# KiCad board EKO_Miner_PowerBoard-53667.kicad_pcb
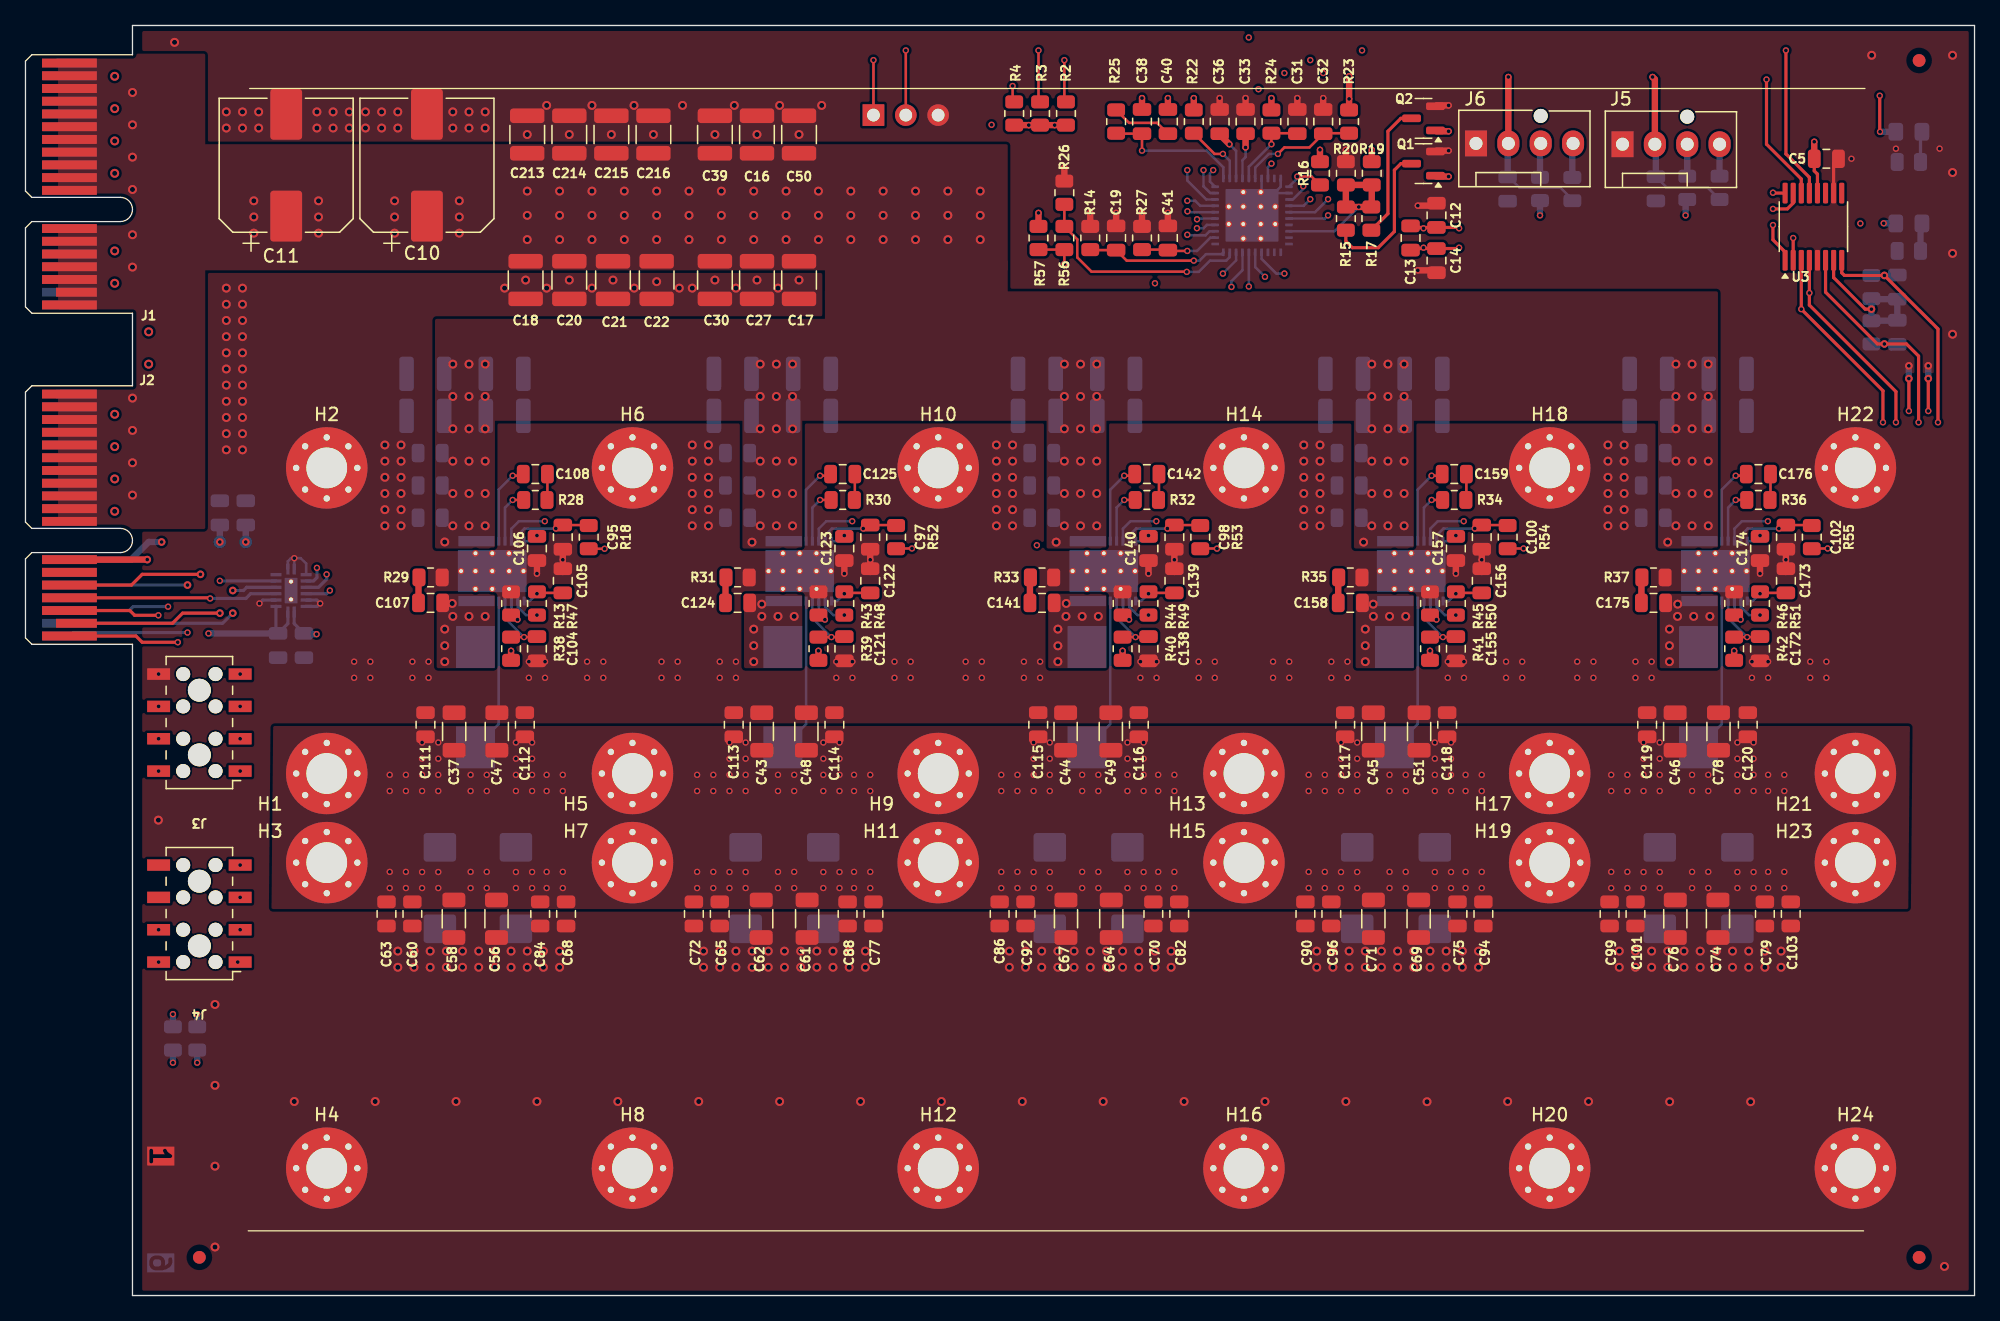
[diagram p0: board, top side]
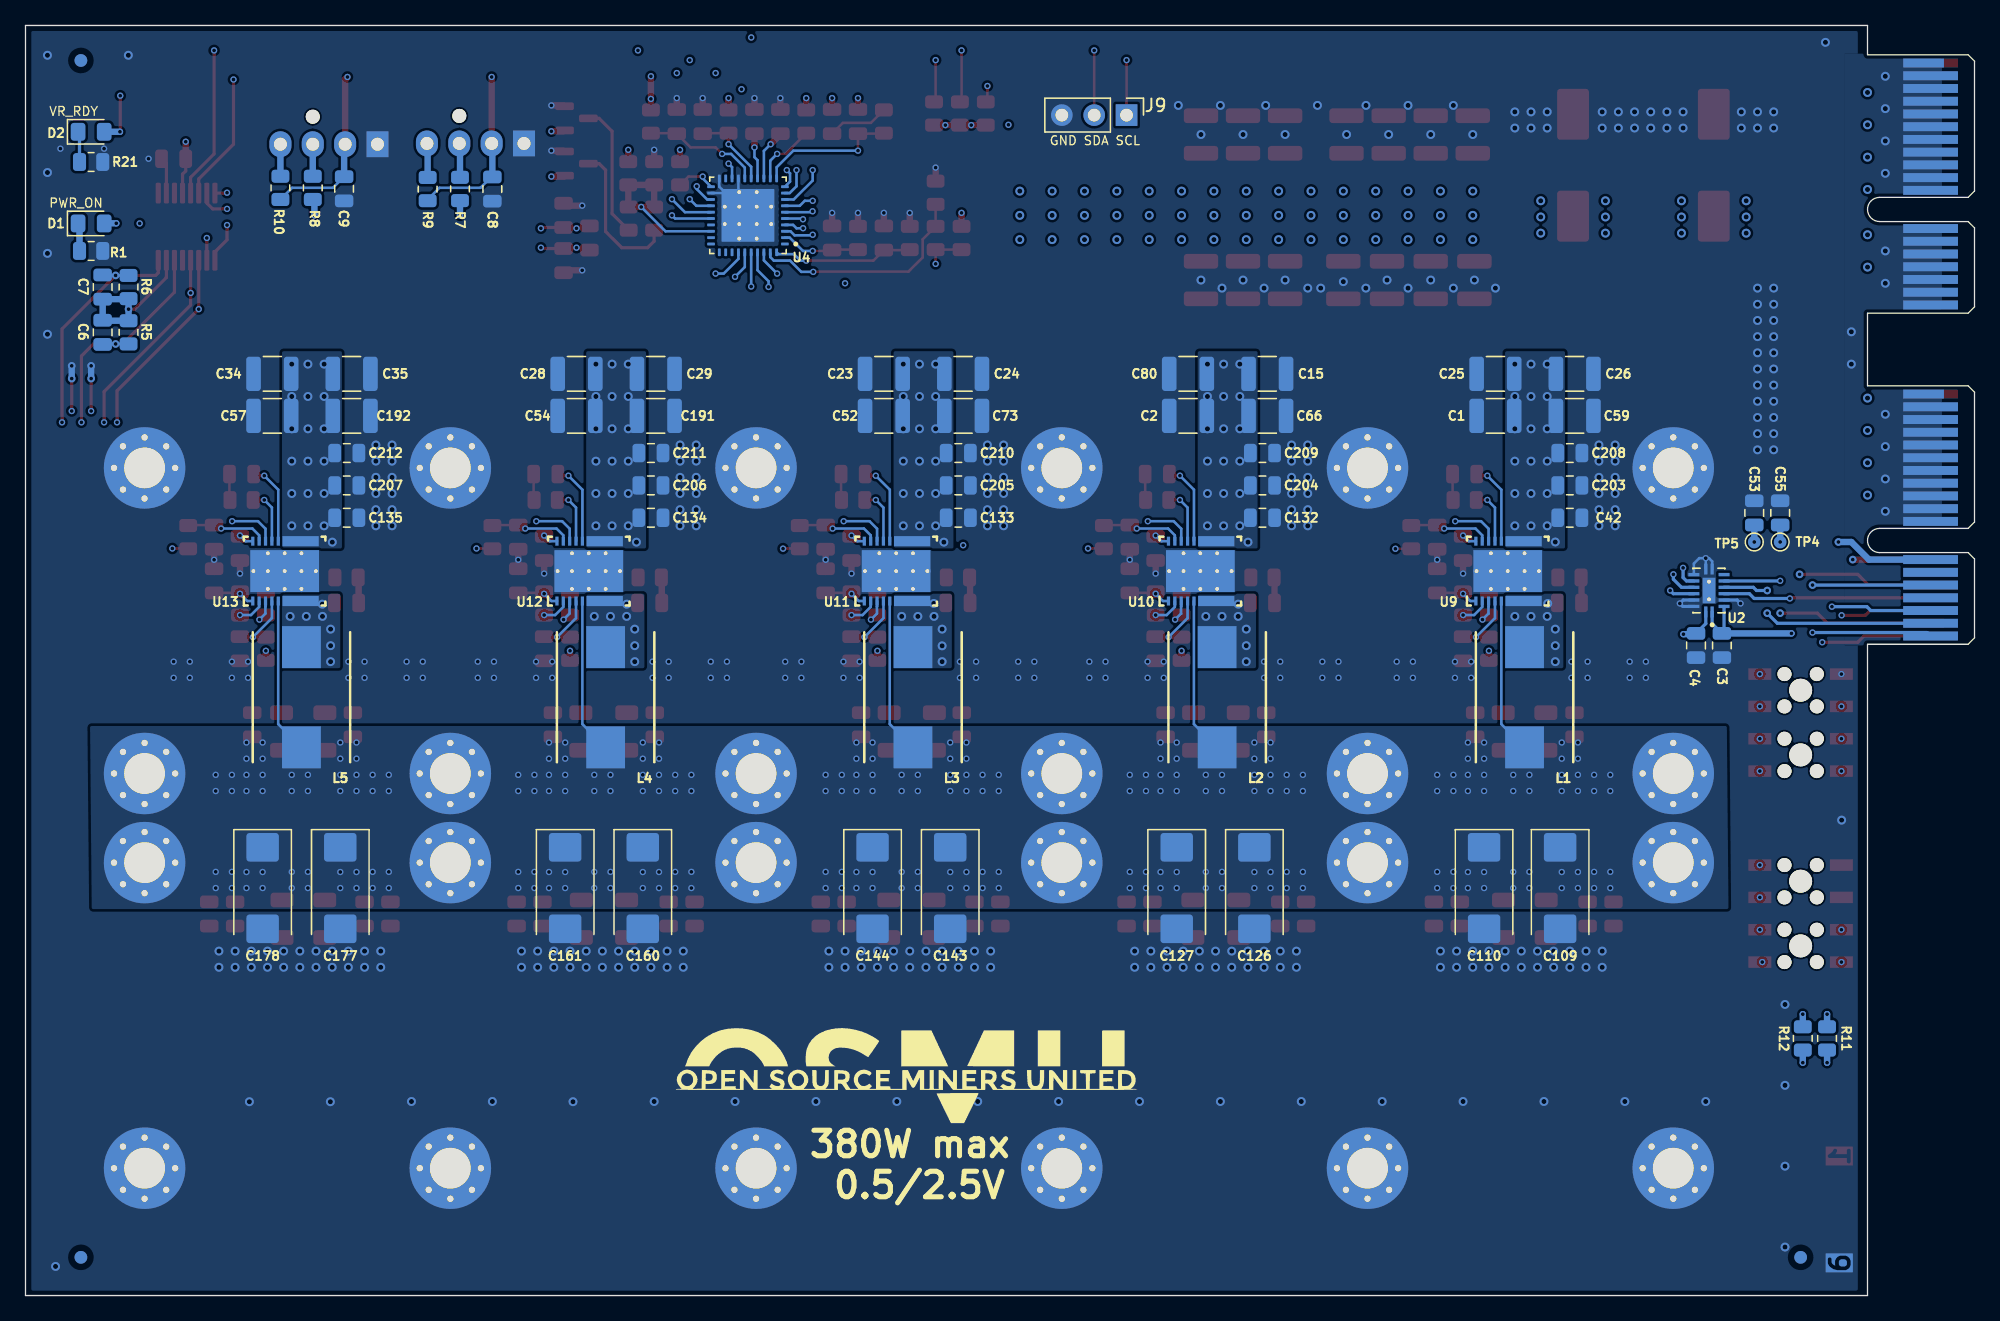
[diagram p1: board, bottom side, seen from below]

Outline 153 x 99.75 mm; copper layers: Top, In1.Cu, In2.Cu, In3.Cu, In4.Cu, Bottom. Coordinates in mm from the lower left corner of the outline.
Outline path: 8.4,97.45 8.4,99.75 153,99.75 153,0 8.4,0 8.4,51.15 ; 8.4,71.45 8.4,77.15
Stack: Top 0.035mm / dielectric 0.1mm FR4 er 4.5 / In1.Cu 0.035mm / dielectric 0.535mm FR4 er 4.5 / In2.Cu 0.035mm / dielectric 0.1mm FR4 er 4.5 / In3.Cu 0.035mm / dielectric 0.535mm FR4 er 4.5 / In4.Cu 0.035mm / dielectric 0.1mm FR4 er 4.5 / Bottom 0.035mm

## Placement (name value [footprint] x y rotation side)
C1  22uF/25V  [C_1210_3225Metric]  37.61 69.09 0 bottom
C2  22uF/25V  [C_1210_3225Metric]  61.74 69.09 0 bottom
C3  100nF  [C_0805_2012Metric]  19.83 51.05 270 bottom
C4  100nF  [C_0805_2012Metric]  21.86 51.05 270 bottom
C5  100nF  [C_0805_2012Metric]  141.37 89.28 0 top
C6  100pF  [C_0805_2012Metric]  146.94 75.65 90 bottom
C7  100pF  [C_0805_2012Metric]  146.94 79.2 90 bottom
C8  100nF  [C_0805_2012Metric]  116.35 86.9 270 bottom
C9  100nF  [C_0805_2012Metric]  127.99 86.92 270 bottom
C10  470µF/25V  [CP_Elec_10x10]  31.51 88.77 90 top
C11  470µF/25V  [CP_Elec_10x10]  20.47 88.77 90 top
C12  22pF  [C_0805_2012Metric]  110.76 84.84 270 top
C13  100pF  [C_0805_2012Metric]  108.73 83.06 270 top
C14  22pF  [C_0805_2012Metric]  110.76 81.28 270 top
C15  22uF/25V  [C_1210_3225Metric]  55.52 72.39 180 bottom
C16  22uF/25V  [C_1210_3225Metric]  57.42 91.19 90 top
C17  22uF/25V  [C_1210_3225Metric]  60.72 79.76 270 top
C18  47uF/25V  [C_1210_3225Metric]  39.26 79.76 270 top
C19  1nF  [C_0805_2012Metric]  85.62 83.06 90 top
C20  47uF/25V  [C_1210_3225Metric]  42.69 79.76 270 top
C21  47uF/25V  [C_1210_3225Metric]  46.12 79.76 270 top
C22  47uF/25V  [C_1210_3225Metric]  49.55 79.76 270 top
C23  22uF/25V  [C_1210_3225Metric]  85.62 72.39 0 bottom
C24  22uF/25V  [C_1210_3225Metric]  79.39 72.39 180 bottom
C25  22uF/25V  [C_1210_3225Metric]  37.61 72.39 0 bottom
C26  22uF/25V  [C_1210_3225Metric]  31.39 72.39 180 bottom
C27  22uF/25V  [C_1210_3225Metric]  57.42 79.76 270 top
C28  22uF/25V  [C_1210_3225Metric]  109.75 72.39 0 bottom
C29  22uF/25V  [C_1210_3225Metric]  103.52 72.39 180 bottom
C30  22uF/25V  [C_1210_3225Metric]  54.12 79.76 270 top
C31  4.7µF/16V  [C_0805_2012Metric]  99.84 92.2 270 top
C32  1uF/25V  [C_0805_2012Metric]  101.87 92.2 90 top
C33  1uF/25V  [C_0805_2012Metric]  95.78 92.2 90 top
C34  22uF/25V  [C_1210_3225Metric]  133.62 72.39 0 bottom
C35  22uF/25V  [C_1210_3225Metric]  127.4 72.39 180 bottom
C36  330nF  [C_0805_2012Metric]  93.74 92.2 90 top
C37  100uF/6.3V  [C_1206_3216Metric]  33.65 44.3 90 top
C38  12pF  [C_0805_2012Metric]  87.65 92.2 90 top
C39  22uF/25V  [C_1210_3225Metric]  54.12 91.19 90 top
C40  1nF  [C_0805_2012Metric]  89.68 92.2 90 top
C41  2.2nF  [C_0805_2012Metric]  89.68 83.06 90 top
C42  2.2nF  [C_0805_2012Metric]  31.77 61.09 180 bottom
C43  100uF/6.3V  [C_1206_3216Metric]  57.8 44.3 90 top
C44  100uF/6.3V  [C_1206_3216Metric]  81.65 44.3 90 top
C45  100uF/6.3V  [C_1206_3216Metric]  105.8 44.3 90 top
C46  100uF/6.3V  [C_1206_3216Metric]  129.5 44.3 90 top
C47  100uF/6.3V  [C_1206_3216Metric]  37 44.3 90 top
C48  100uF/6.3V  [C_1206_3216Metric]  61.3 44.3 90 top
C49  100uF/6.3V  [C_1206_3216Metric]  85.2 44.3 90 top
C50  22uF/25V  [C_1210_3225Metric]  60.72 91.19 90 top
C51  100uF/6.3V  [C_1206_3216Metric]  109.4 44.3 90 top
C52  22uF/25V  [C_1210_3225Metric]  85.62 69.09 0 bottom
C53  100nF  [C_0805_2012Metric]  17.29 61.47 90 bottom
C54  22uF/25V  [C_1210_3225Metric]  109.75 69.09 0 bottom
C55  100nF  [C_0805_2012Metric]  15.26 61.47 90 bottom
C56  100uF/6.3V  [C_1206_3216Metric]  36.98 29.59 270 top
C57  22uF/25V  [C_1210_3225Metric]  133.62 69.09 0 bottom
C58  100uF/6.3V  [C_1206_3216Metric]  33.62 29.59 270 top
C59  22uF/25V  [C_1210_3225Metric]  31.39 69.09 180 bottom
C60  100nF  [C_0805_2012Metric]  30.37 29.97 270 top
C61  100uF/6.3V  [C_1206_3216Metric]  61.36 29.59 270 top
C62  100uF/6.3V  [C_1206_3216Metric]  57.76 29.59 270 top
C63  10uF/25V  [C_0805_2012Metric]  28.34 29.97 270 top
C64  100uF/6.3V  [C_1206_3216Metric]  85.24 29.59 270 top
C65  100nF  [C_0805_2012Metric]  54.5 29.97 270 top
C66  22uF/25V  [C_1210_3225Metric]  55.52 69.09 180 bottom
C67  100uF/6.3V  [C_1206_3216Metric]  81.68 29.59 270 top
C68  10uF/25V  [C_0805_2012Metric]  42.44 29.97 270 top
C69  100uF/6.3V  [C_1206_3216Metric]  109.37 29.59 270 top
C70  100nF  [C_0805_2012Metric]  88.54 29.97 270 top
C71  100uF/6.3V  [C_1206_3216Metric]  105.81 29.59 270 top
C72  10uF/25V  [C_0805_2012Metric]  52.47 29.97 270 top
C73  22uF/25V  [C_1210_3225Metric]  79.39 69.09 180 bottom
C74  100uF/6.3V  [C_1206_3216Metric]  132.86 29.59 270 top
C75  100nF  [C_0805_2012Metric]  112.41 29.97 270 top
C76  100uF/6.3V  [C_1206_3216Metric]  129.51 29.59 270 top
C77  10uF/25V  [C_0805_2012Metric]  66.57 29.97 270 top
C78  100uF/6.3V  [C_1206_3216Metric]  132.9 44.3 90 top
C79  100nF  [C_0805_2012Metric]  136.54 29.97 270 top
C80  22uF/25V  [C_1210_3225Metric]  61.74 72.39 0 bottom
C82  10uF/25V  [C_0805_2012Metric]  90.57 29.97 270 top
C84  100nF  [C_0805_2012Metric]  40.4 29.97 270 top
C86  10uF/25V  [C_0805_2012Metric]  76.47 29.97 270 top
C88  100nF  [C_0805_2012Metric]  64.53 29.97 270 top
C90  10uF/25V  [C_0805_2012Metric]  100.47 29.97 270 top
C92  100nF  [C_0805_2012Metric]  78.5 29.97 270 top
C94  10uF/25V  [C_0805_2012Metric]  114.44 29.97 270 top
C95  1nF  [C_0805_2012Metric]  42.18 59.56 90 top
C96  100nF  [C_0805_2012Metric]  102.51 29.97 270 top
C97  1nF  [C_0805_2012Metric]  66.31 59.56 90 top
C98  1nF  [C_0805_2012Metric]  90.19 59.56 90 top
C99  10uF/25V  [C_0805_2012Metric]  124.35 29.97 270 top
C100  1nF  [C_0805_2012Metric]  114.32 59.56 90 top
C101  100nF  [C_0805_2012Metric]  126.38 29.97 270 top
C102  1nF  [C_0805_2012Metric]  138.19 59.56 90 top
C103  10uF/25V  [C_0805_2012Metric]  138.58 29.97 270 top
C104  10uF/25V  [C_0805_2012Metric]  40.15 50.8 270 top
C105  100nF  [C_0805_2012Metric]  42.18 56.13 90 top
C106  1nF  [C_0805_2012Metric]  40.15 58.67 270 top
C107  1nF  [C_0805_2012Metric]  31.8 54.4 180 top
C108  100nF  [C_0805_2012Metric]  40.02 64.52 180 top
C109  470uF/6.3V  [CP_EIA-7343-31_Kemet-D_Pad2.25x2.55mm_HandSolder]  32.53 32 270 bottom
C110  470uF/6.3V  [CP_EIA-7343-31_Kemet-D_Pad2.25x2.55mm_HandSolder]  38.5 32 270 bottom
C111  10uF/25V  [C_0805_2012Metric]  31.4 44.83 90 top
C112  10uF/25V  [C_0805_2012Metric]  39.2 44.83 90 top
C113  10uF/25V  [C_0805_2012Metric]  55.6 44.83 90 top
C114  10uF/25V  [C_0805_2012Metric]  63.5 44.83 90 top
C115  10uF/25V  [C_0805_2012Metric]  79.5 44.83 90 top
C116  10uF/25V  [C_0805_2012Metric]  87.4 44.83 90 top
C117  10uF/25V  [C_0805_2012Metric]  103.6 44.83 90 top
C118  10uF/25V  [C_0805_2012Metric]  111.6 44.83 90 top
C119  10uF/25V  [C_0805_2012Metric]  127.3 44.83 90 top
C120  10uF/25V  [C_0805_2012Metric]  135.2 44.83 90 top
C121  10uF/25V  [C_0805_2012Metric]  64.28 50.8 270 top
C122  100nF  [C_0805_2012Metric]  66.31 56.13 90 top
C123  1nF  [C_0805_2012Metric]  64.28 58.67 270 top
C124  1nF  [C_0805_2012Metric]  55.9 54.4 180 top
C125  100nF  [C_0805_2012Metric]  64.15 64.52 180 top
C126  470uF/6.3V  [CP_EIA-7343-31_Kemet-D_Pad2.25x2.55mm_HandSolder]  56.53 32 270 bottom
C127  470uF/6.3V  [CP_EIA-7343-31_Kemet-D_Pad2.25x2.55mm_HandSolder]  62.63 32 270 bottom
C132  2.2nF  [C_0805_2012Metric]  55.9 61.09 180 bottom
C133  2.2nF  [C_0805_2012Metric]  79.77 61.09 180 bottom
C134  2.2nF  [C_0805_2012Metric]  103.9 61.09 180 bottom
C135  2.2nF  [C_0805_2012Metric]  127.78 61.09 180 bottom
C138  10uF/25V  [C_0805_2012Metric]  88.16 50.8 270 top
C139  100nF  [C_0805_2012Metric]  90.19 56.13 90 top
C140  1nF  [C_0805_2012Metric]  88.16 58.67 270 top
C141  1nF  [C_0805_2012Metric]  79.8 54.4 180 top
C142  100nF  [C_0805_2012Metric]  88.03 64.52 180 top
C143  470uF/6.3V  [CP_EIA-7343-31_Kemet-D_Pad2.25x2.55mm_HandSolder]  80.41 32 270 bottom
C144  470uF/6.3V  [CP_EIA-7343-31_Kemet-D_Pad2.25x2.55mm_HandSolder]  86.5 32 270 bottom
C155  10uF/25V  [C_0805_2012Metric]  112.29 50.8 270 top
C156  100nF  [C_0805_2012Metric]  114.32 56.13 90 top
C157  1nF  [C_0805_2012Metric]  112.29 58.67 270 top
C158  1nF  [C_0805_2012Metric]  104 54.4 180 top
C159  100nF  [C_0805_2012Metric]  112.16 64.52 180 top
C160  470uF/6.3V  [CP_EIA-7343-31_Kemet-D_Pad2.25x2.55mm_HandSolder]  104.54 32 270 bottom
C161  470uF/6.3V  [CP_EIA-7343-31_Kemet-D_Pad2.25x2.55mm_HandSolder]  110.64 32 270 bottom
C172  10uF/25V  [C_0805_2012Metric]  136.16 50.8 270 top
C173  100nF  [C_0805_2012Metric]  138.19 56.13 90 top
C174  1nF  [C_0805_2012Metric]  136.16 58.67 270 top
C175  1nF  [C_0805_2012Metric]  127.8 54.4 180 top
C176  100nF  [C_0805_2012Metric]  136.03 64.52 180 top
C177  470uF/6.3V  [CP_EIA-7343-31_Kemet-D_Pad2.25x2.55mm_HandSolder]  128.29 32 270 bottom
C178  470uF/6.3V  [CP_EIA-7343-31_Kemet-D_Pad2.25x2.55mm_HandSolder]  134.38 32 270 bottom
C191  22uF/25V  [C_1210_3225Metric]  103.52 69.09 180 bottom
C192  22uF/25V  [C_1210_3225Metric]  127.4 69.09 180 bottom
C203  100nF  [C_0805_2012Metric]  31.77 63.63 180 bottom
C204  100nF  [C_0805_2012Metric]  55.9 63.63 180 bottom
C205  100nF  [C_0805_2012Metric]  79.77 63.63 180 bottom
C206  100nF  [C_0805_2012Metric]  103.9 63.63 180 bottom
C207  100nF  [C_0805_2012Metric]  127.78 63.63 180 bottom
C208  1uF/25V  [C_0805_2012Metric]  31.77 66.17 180 bottom
C209  1uF/25V  [C_0805_2012Metric]  55.9 66.17 180 bottom
C210  1uF/25V  [C_0805_2012Metric]  79.77 66.17 180 bottom
C211  1uF/25V  [C_0805_2012Metric]  103.9 66.17 180 bottom
C212  1uF/25V  [C_0805_2012Metric]  127.78 66.17 180 bottom
C213  47uF/25V  [C_1210_3225Metric]  39.39 91.19 90 top
C214  47uF/25V  [C_1210_3225Metric]  42.69 91.19 90 top
C215  47uF/25V  [C_1210_3225Metric]  45.99 91.19 90 top
C216  47uF/25V  [C_1210_3225Metric]  49.29 91.19 90 top
D1  LED  [LED_0805_2012Metric_Pad1.15x1.40mm_HandSolder]  147.85 84.2 180 bottom
D2  LED  [LED_0805_2012Metric_Pad1.15x1.40mm_HandSolder]  147.85 91.4 180 bottom
FID1  Fiducial  [Fiducial_1mm_Mask2mm]  13.65 3 0 top
FID2  Fiducial  [Fiducial_1mm_Mask2mm]  148.65 3 0 top
FID3  Fiducial  [Fiducial_1mm_Mask2mm]  148.65 97 0 top
FID4  Fiducial  [Fiducial_1mm_Mask2mm]  13.65 3 180 bottom
FID5  Fiducial  [Fiducial_1mm_Mask2mm]  148.65 97 180 bottom
FID6  Fiducial  [Fiducial_1mm_Mask2mm]  148.65 3 180 bottom
G***  -  [LOGO]  83.33 17.83 180 bottom
H1  MountingHole_Pad  [MountingHole_3.2mm_M3_Pad_Via]  23.65 41 0 top
H2  MountingHole_Pad  [MountingHole_3.2mm_M3_Pad_Via]  23.65 65 0 top
H3  MountingHole_Pad  [MountingHole_3.2mm_M3_Pad_Via]  23.65 34 0 top
H4  MountingHole_Pad  [MountingHole_3.2mm_M3_Pad_Via]  23.65 10 0 top
H5  MountingHole_Pad  [MountingHole_3.2mm_M3_Pad_Via]  47.65 41 0 top
H6  MountingHole_Pad  [MountingHole_3.2mm_M3_Pad_Via]  47.65 65 0 top
H7  MountingHole_Pad  [MountingHole_3.2mm_M3_Pad_Via]  47.65 34 0 top
H8  MountingHole_Pad  [MountingHole_3.2mm_M3_Pad_Via]  47.65 10 0 top
H9  MountingHole_Pad  [MountingHole_3.2mm_M3_Pad_Via]  71.65 41 0 top
H10  MountingHole_Pad  [MountingHole_3.2mm_M3_Pad_Via]  71.65 65 0 top
H11  MountingHole_Pad  [MountingHole_3.2mm_M3_Pad_Via]  71.65 34 0 top
H12  MountingHole_Pad  [MountingHole_3.2mm_M3_Pad_Via]  71.65 10 0 top
H13  MountingHole_Pad  [MountingHole_3.2mm_M3_Pad_Via]  95.65 41 0 top
H14  MountingHole_Pad  [MountingHole_3.2mm_M3_Pad_Via]  95.65 65 0 top
H15  MountingHole_Pad  [MountingHole_3.2mm_M3_Pad_Via]  95.65 34 0 top
H16  MountingHole_Pad  [MountingHole_3.2mm_M3_Pad_Via]  95.65 10 0 top
H17  MountingHole_Pad  [MountingHole_3.2mm_M3_Pad_Via]  119.65 41 0 top
H18  MountingHole_Pad  [MountingHole_3.2mm_M3_Pad_Via]  119.65 65 0 top
H19  MountingHole_Pad  [MountingHole_3.2mm_M3_Pad_Via]  119.65 34 0 top
H20  MountingHole_Pad  [MountingHole_3.2mm_M3_Pad_Via]  119.65 10 0 top
H21  MountingHole_Pad  [MountingHole_3.2mm_M3_Pad_Via]  143.65 41 0 top
H22  MountingHole_Pad  [MountingHole_3.2mm_M3_Pad_Via]  143.65 65 0 top
H23  MountingHole_Pad  [MountingHole_3.2mm_M3_Pad_Via]  143.65 34 0 top
H24  MountingHole_Pad  [MountingHole_3.2mm_M3_Pad_Via]  143.65 10 0 top
J1  PCB 10018784-10210TLF  [BUS_PCIexpress_x1]  3.45 96.8 270 top
J2  PCB 10018784-10210TLF  [BUS_PCIexpress_x1]  3.45 70.8 270 top
J3  Conn_02x04_Odd_Even  [M20_7810445]  13.65 45 180 top
J4  Conn_02x04_Odd_Even  [M20_7810445]  13.65 30 180 top
J5  Conn_01x04  [FanPinHeader_1x04_P2.54mm_Vertical]  125.37 90.42 0 top
J6  Conn_01x04  [FanPinHeader_1x04_P2.54mm_Vertical]  113.87 90.49 0 top
J9  Conn_01x03  [PinHeader_1x03_P2.54mm_Vertical]  66.57 92.71 270 bottom  (not fitted)
L1  220nH  [INDM1031X765N]  35.32 46.99 270 bottom
L2  220nH  [INDM1031X765N]  59.45 46.99 270 bottom
L3  220nH  [INDM1031X765N]  83.33 46.99 270 bottom
L4  220nH  [INDM1031X765N]  107.46 46.99 270 bottom
L5  220nH  [INDM1031X765N]  131.34 46.99 270 bottom
NT3  NetTie_2  [NetTie-2_SMD_Pad0.5mm]  149.37 72.52 270 bottom
NT4  NetTie_2  [NetTie-2_SMD_Pad0.5mm]  147.85 72.52 270 bottom
Q1  BSS138  [SOT-23]  109.75 88.9 180 top
Q2  BSS138  [SOT-23]  109.75 92.46 180 top
R1  270R  [R_0805_2012Metric]  147.85 82.04 0 bottom
R2  10K  [R_0805_2012Metric]  81.68 92.84 270 top  (not fitted)
R3  10K  [R_0805_2012Metric]  79.65 92.84 270 top  (not fitted)
R4  10K  [R_0805_2012Metric]  77.62 92.84 270 top
R5  1.6K  [R_0805_2012Metric]  144.91 75.65 270 bottom
R6  1.6K  [R_0805_2012Metric]  144.91 79.2 270 bottom
R7  4.7K  [R_0805_2012Metric]  118.89 86.91 270 bottom
R8  4.7K  [R_0805_2012Metric]  130.45 87 270 bottom
R9  10K  [R_0805_2012Metric]  121.43 86.9 270 bottom
R10  10K  [R_0805_2012Metric]  132.99 87 270 bottom
R11  51 0.5%  [R_0805_2012Metric]  11.58 20.19 270 bottom
R12  51 0.5%  [R_0805_2012Metric]  13.48 20.19 270 bottom
R13  100K  [R_0805_2012Metric]  38.12 54.36 90 top
R14  121K  [R_0805_2012Metric]  83.58 83.06 270 top
R15  TBD  [R_0805_2012Metric]  103.65 84.58 270 top
R16  10K  [R_0805_2012Metric]  101.62 88.14 270 top
R17  TBD  [R_0805_2012Metric]  105.65 84.58 270 top
R18  10K  [R_0805_2012Metric]  44.21 59.56 90 top
R19  16K5  [R_0805_2012Metric]  105.68 88.14 270 top
R20  24K3  [R_0805_2012Metric]  103.65 88.14 90 top
R21  270R  [R_0805_2012Metric]  147.85 89.03 0 bottom
R22  2.55k  [R_0805_2012Metric]  91.71 92.2 90 top
R23  2.2R  [R_0805_2012Metric]  103.9 92.2 270 top
R24  2.2R  [R_0805_2012Metric]  97.81 92.2 270 top
R25  8.06k  [R_0805_2012Metric]  85.62 92.2 270 top
R26  100K  [R_0805_2012Metric]  81.55 86.61 270 top
R27  49.9K  [R_0805_2012Metric]  87.65 83.06 270 top
R28  0R  [R_0805_2012Metric]  40.02 62.48 180 top
R29  1R  [R_0805_2012Metric]  31.8 56.4 180 top
R30  0R  [R_0805_2012Metric]  64.15 62.48 180 top
R31  1R  [R_0805_2012Metric]  55.9 56.4 180 top
R32  0R  [R_0805_2012Metric]  88.03 62.48 180 top
R33  1R  [R_0805_2012Metric]  79.8 56.4 180 top
R34  0R  [R_0805_2012Metric]  112.16 62.48 180 top
R35  1R  [R_0805_2012Metric]  104 56.4 180 top
R36  0R  [R_0805_2012Metric]  136.03 62.48 180 top
R37  1R  [R_0805_2012Metric]  127.8 56.4 180 top
R38  1R  [R_0805_2012Metric]  38.12 50.8 90 top
R39  1R  [R_0805_2012Metric]  62.25 50.8 90 top
R40  1R  [R_0805_2012Metric]  86.12 50.8 90 top
R41  1R  [R_0805_2012Metric]  110.25 50.8 90 top
R42  1R  [R_0805_2012Metric]  134.13 50.8 90 top
R43  100K  [R_0805_2012Metric]  62.25 54.36 90 top
R44  100K  [R_0805_2012Metric]  86.12 54.36 90 top
R45  100K  [R_0805_2012Metric]  110.25 54.36 90 top
R46  100K  [R_0805_2012Metric]  134.13 54.36 90 top
R47  0R  [R_0805_2012Metric]  40.15 54.36 90 top  (not fitted)
R48  0R  [R_0805_2012Metric]  64.28 54.36 90 top  (not fitted)
R49  0R  [R_0805_2012Metric]  88.16 54.36 90 top  (not fitted)
R50  0R  [R_0805_2012Metric]  112.29 54.36 90 top  (not fitted)
R51  0R  [R_0805_2012Metric]  136.16 54.36 90 top  (not fitted)
R52  10K  [R_0805_2012Metric]  68.34 59.56 90 top
R53  10K  [R_0805_2012Metric]  92.22 59.56 90 top
R54  10K  [R_0805_2012Metric]  116.35 59.56 90 top
R55  10K  [R_0805_2012Metric]  140.23 59.56 90 top
R56  0R  [R_0805_2012Metric]  81.55 83.06 90 top
R57  0R  [R_0805_2012Metric]  79.52 83.06 90 top  (not fitted)
TP4  TestPoint  [TestPoint_Pad_D1.0mm]  15.26 59.18 180 bottom
TP5  TestPoint  [TestPoint_Pad_D1.0mm]  17.29 59.18 180 bottom
U2  SN74AXC4T245BQB  [QFN50P350X250X80-17N]  20.85 55.37 0 bottom
U3  MAX6615AEE_  [QSOP-16_3.9x4.9mm_P0.635mm]  140.35 83.95 90 top
U4  -  [TPS53667RTAR]  96.28 84.84 0 bottom
U9  -  [CSD95490Q5MC]  36.64 56.9 90 bottom
U10  -  [CSD95490Q5MC]  60.77 56.9 90 bottom
U11  -  [CSD95490Q5MC]  84.65 56.9 90 bottom
U12  -  [CSD95490Q5MC]  108.78 56.9 90 bottom
U13  -  [CSD95490Q5MC]  132.66 56.9 90 bottom

## Library data of the parts
C1 C2 C15-C17 C27-C30 C34 C35 C39 C50 C52 C54 C57 C59 C66 C73 C80 C191 C192 = -: DK: GRM32ER61E226KE15L; P/N MOUSER: 81-GRM32ER61E226KE15; ki_fp_filters: C_*
C3-C5 C8 C9 C53 C55 C60 C65 C70 C75 C79 C84 C88 C92 C96 C101 C105 C108 C122 C125 C139 C142 C156 C159 C173 C176 C203-C207 = -: P/N MOUSER: 791-SH21B104K101CT; ki_fp_filters: C_*
C6 C7 = -: P/N MOUSER: 603-CC805JPNPO9BN101; ki_fp_filters: C_*
C10 C11 = -: Description: Condensateurs électrolytiques en aluminium - CMS 470UF 25V ESR=20; Manufacturer: AHC1012471M025R; P/N MOUSER: 581-AHC1012471M025R; ki_fp_filters: CP_*
C12 C14 = -: Description: MLCC - 22pF 0805; Manufacturer: 08055C220KAT2A; P/N MOUSER: 581-08055C220KAT2A; ki_fp_filters: C_*
C13 = -: Description: MLCC - CMS 50 V 100pF C0G 0805 5%; Manufacturer: CC0805JPNPO9BN101; P/N MOUSER: 603-CC805JPNPO9BN101; ki_fp_filters: C_*
C18 C20-C22 C213-C216 = -: Description: MLCC - CMS 963-MSAST32MAB5476MP RPLCMT PN 25V 47uF X5R 1210 20%; Manufacturer: TMK325ABJ476MM-P; P/N MOUSER: 963-TMK325ABJ476MM-P; ki_fp_filters: C_*
C19 C40 C95 C97 C98 C100 C102 C106 C107 C123 C124 C140 C141 C157 C158 C174 C175 = -: P/N MOUSER: 603-CC805KRX7R0BB102; ki_fp_filters: C_*
C23-C26 = -: P/N MOUSER: 81-GRM32ER61E226KE15; DK: GRM32ER61E226KE15L; ki_fp_filters: C_*
C31 = -: P/N MOUSER: 187-CL21A475KOFNNNG; ki_fp_filters: C_*
C32 C33 C208-C212 = -: Description: MLCC - CMS 25V 1uF X5R 0805 10 %; PARTNO: 963-TMK212BJ105KG-T; P/N MOUSER: 187-CL21B105KAFNNNE; ki_fp_filters: C_*
C36 = -: P/N MOUSER: 187-CL21B334KBFNNNE; ki_fp_filters: C_*
C37 C43-C49 C51 C56 C58 C61 C62 C64 C67 C69 C71 C74 C76 C78 = -: Description: MLCC - CMS 963-MSASA31LAB5107MT RPLCMT PN 4V 100uF X5R 1206 20%; P/N MOUSER: 187-CL31A107MQHNNWE; ki_fp_filters: C_*
C38 = -: Distributor: D; P/N DIGIKEY: 478-KGM15ACG2A120JMCT-ND; P/N MOUSER: 581-KGM15ACG2A120JM; ki_fp_filters: C_*
C41 C42 C132-C135 = -: P/N MOUSER: 791-0805B222K160CT; ki_fp_filters: C_*
C63 C68 C72 C77 C82 C86 C90 C94 C99 C103 C104 C111-C121 C138 C155 C172 = -: P/N MOUSER: 963-TMK212BBJ106MG-T; ki_fp_filters: C_*
C109 C110 C126 C127 C143 C144 C160 C161 C177 C178 = -: DK: 718-1028-1-ND; PARTNO: 293D337X9010E2TE3; P/N MOUSER: 581-TAJD477M006R; ki_fp_filters: CP_*
D1 D2 = -: Description: Light emitting diode; P/N MOUSER: 859-LTST-C171GKT; ki_fp_filters: LED* LED_SMD:* LED_THT:*
FID1-FID6 = -: Description: Fiducial Marker; ki_fp_filters: Fiducial*
H1-H24 = -: Description: Mounting Hole with connection; ki_fp_filters: MountingHole*Pad*
J1 J2 = -: Description: https://www.snapeda.com/parts/10018784-10210TLF/Amphenol%20ICC/datasheet/; MF: Amphenol ICC; Description_1: 36 Position Female Connector PCI Express™ Gold 0.039 (1.00mm) Black; Package: None; Price: None; Check_prices: https://www.snapeda.com/parts/10018784-10210TLF/Amphenol+FCI/view-part/?ref=eda; STANDARD: Manufacturer Recommendations; PARTREV: S; SnapEDA_Link: https://www.snapeda.com/parts/10018784-10210TLF/Amphenol+FCI/view-part/?ref=snap; MP: 10018784-10210TLF; Purchase-URL: https://www.snapeda.com/api/url_track_click_mouser/?unipart_id=520950&manufacturer=Amphenol ICC&part_name=10018784-10210TLF&search_term=10018784-10210tlf; Availability: In Stock; MANUFACTURER: Amphenol
J3 J4 = -: Description: Generic connector, double row, 02x04, odd/even pin numbering scheme (row 1 odd numbers, row 2 even numbers), script generated (kicad-library-utils/schlib/autogen/connector/); P/N MOUSER: 855-M20-7810445; ki_fp_filters: Connector*:*_2x??_*